# Altium PCB V5_CORE_V1.6.PcbDoc (part 1 of 3) (continued)
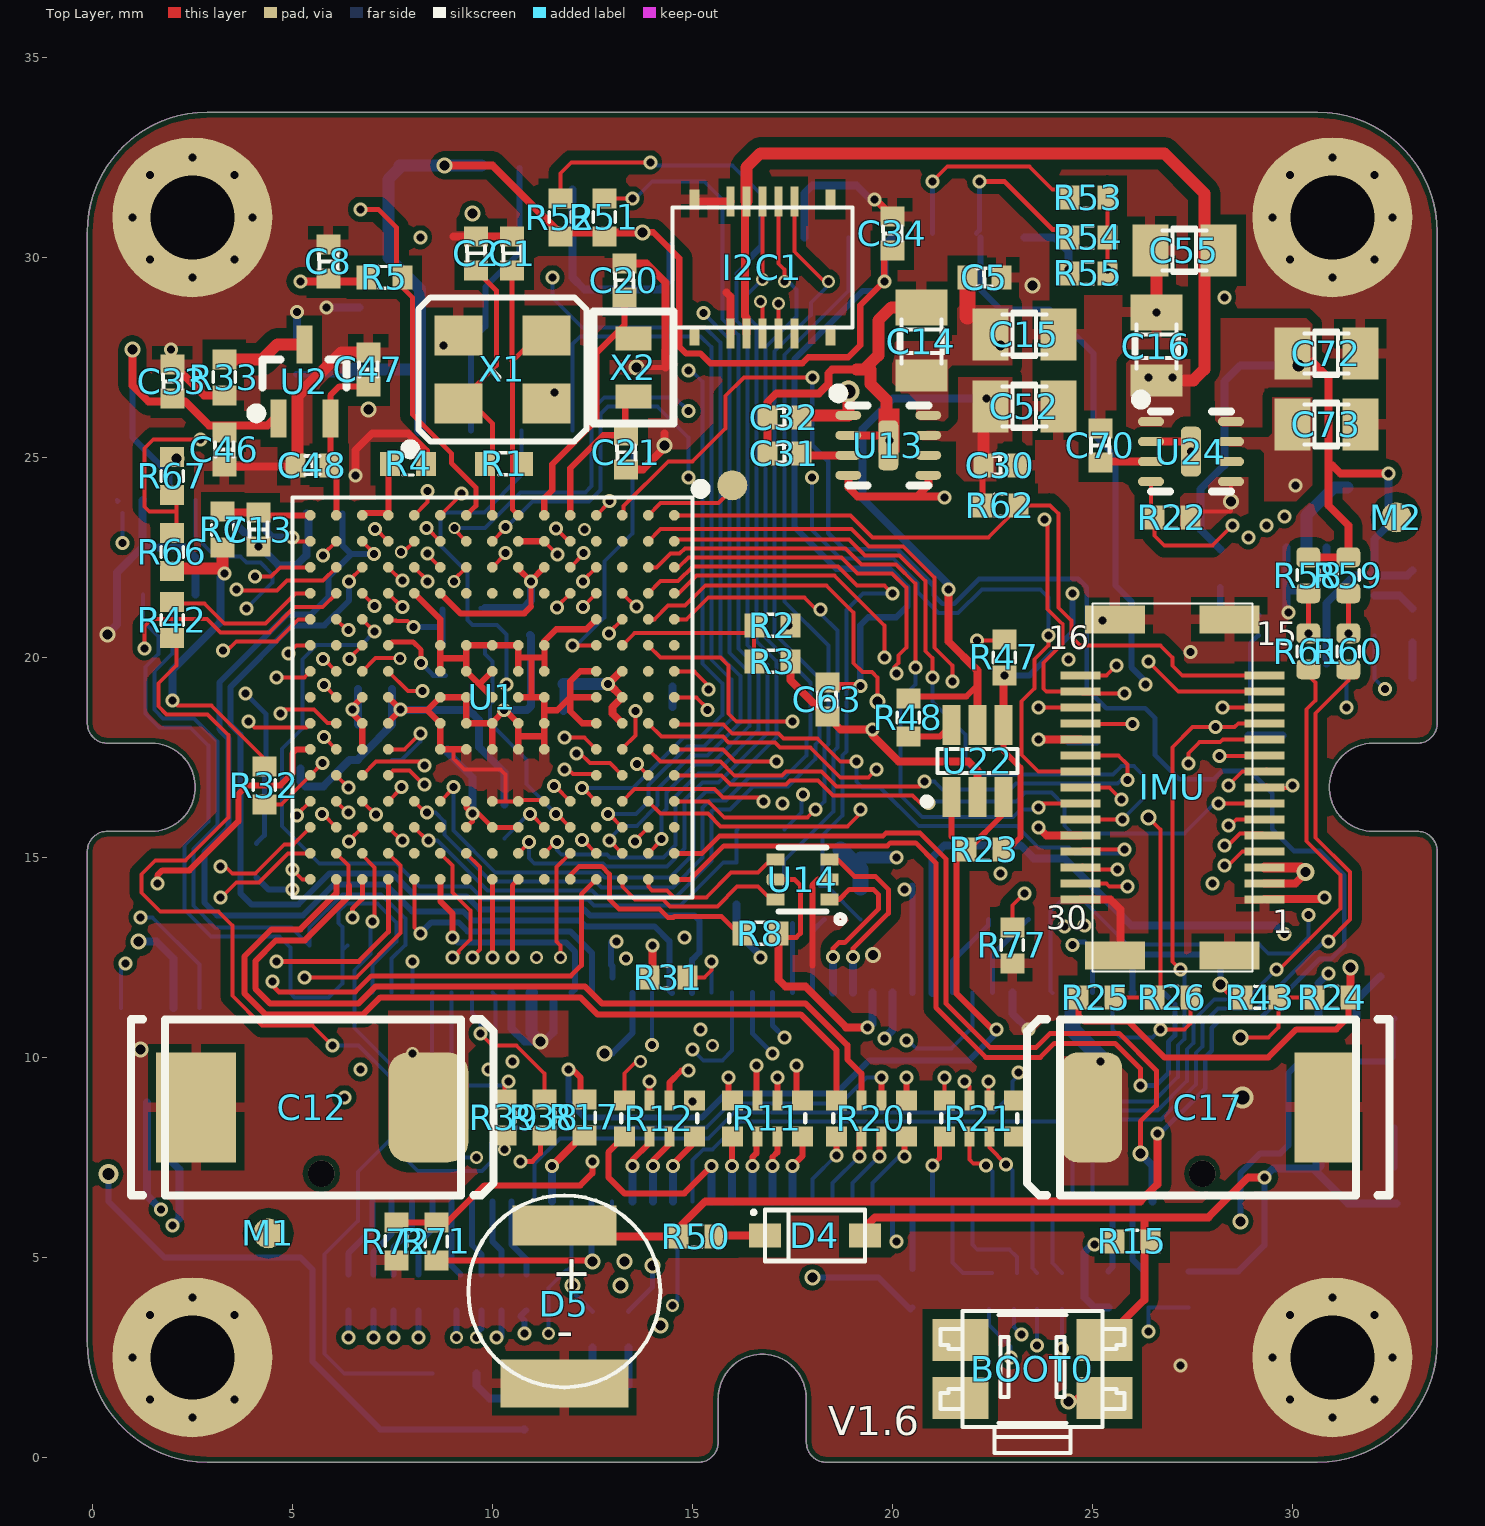
[diagram p0: Top Layer view]
## Design rules (kind name [scope] priority, off if disabled: settings)
Clearance [InPolygon vs OnLayer('Top Layer')                 +OnLayer('bottom Layer')] p1: gap=0.25
Clearance Clearance_1 [All] p2: gap=0.125
DiffPairsRouting [All] p1: maxlimit=0.254 minlimit=0.125 mostfreqgap=0.254 toplayer_minwidth=0.1 toplayer_maxwidth=0.381 toplayer_prefwidth=0.2 midlayer1_minwidth=0.1 midlayer1_maxwidth=0.381 midlayer1_prefwidth=0.2 midlayer2_minwidth=0.1 midlayer2_maxwidth=0.381 midlayer2_prefwidth=0.2 midlayer3_minwidth=0.1 midlayer3_maxwidth=0.381 midlayer3_prefwidth=0.2 midlayer4_minwidth=0.1 midlayer4_maxwidth=0.381 midlayer4_prefwidth=0.2 bottomlayer_minwidth=0.1 bottomlayer_maxwidth=0.381 bottomlayer_prefwidth=0.2 maxuncoupledlength=12.7
MinimumSolderMaskSliver [All] p1: minsoldermaskwidth=0.125
PlaneClearance [All] p1: clearance=0.2
PlaneConnect [All] p1: planeconnectstyle=Direct reliefexpansion=0.508 reliefentries=4 reliefconductorwidth=0.254 reliefairgap=0.254
PolygonConnect [InNet('3V3')+InNet('MCU_3V3')+InNet('VBUS')+InNet('VDD_5V_IN')   +InNet('TF_3V3')    +InNet('IMU_3V3')  +InNet('VBAT') +InNet('IO1_3V3')  +InNet('VDD_5V_IN_IMU')  +OnMultiLayer] p1: connectstyle=Direct reliefconductorwidth=0.254 reliefentries=4 polygonreliefangle="90 Angle" airgapwidth=0.254
PolygonConnect PolygonConnect_1 [All] p2: connectstyle=Relief reliefconductorwidth=0.254 reliefentries=4 polygonreliefangle="90 Angle" airgapwidth=0.2
RoomDefinition 11_5V_RAIL_ADC [InComponentClass('11_5V_RAIL_ADC')] p1: confinementstyle=ConfineIn formatcopy=TRUE lockcomponents=FALSE outline 34.753,1.314 70.905,1.314 70.905,3.714 34.753,3.714
RoomDefinition 08_ONB_COMPASS [InComponentClass('08_ONB_COMPASS')] p2: confinementstyle=ConfineIn formatcopy=TRUE lockcomponents=FALSE outline 34.597,1.436 52.697,1.436 52.697,7.436 34.597,7.436
RoomDefinition 12_B_TO_B [InComponentClass('12_B_TO_B')] p3: confinementstyle=ConfineIn formatcopy=TRUE lockcomponents=FALSE outline 34.597,1.436 43.597,1.436 43.597,29.935 34.597,29.935
RoomDefinition 02_V5_IO1 [InComponentClass('02_V5_IO1')] p4: confinementstyle=ConfineIn formatcopy=TRUE lockcomponents=FALSE outline 34.665,9.9 64.764,9.9 64.764,22.346 34.665,22.346
RoomDefinition 07_V5_LED [InComponentClass('07_V5_LED')] p5: confinementstyle=ConfineIn formatcopy=TRUE lockcomponents=FALSE outline -69.602,-57.664 -18.802,-57.664 -18.802,-32.264 -69.602,-32.264
RoomDefinition IMU_CON [InComponentClass('IMU_CON')] p6: confinementstyle=ConfineIn formatcopy=TRUE lockcomponents=FALSE outline 34.597,1.436 40.797,1.436 40.797,12.336 34.597,12.336
RoomDefinition 10_CAN_BUS [InComponentClass('10_CAN_BUS')] p7: confinementstyle=ConfineIn formatcopy=TRUE lockcomponents=FALSE outline 34.665,90.926 55.874,90.926 55.874,104.007 34.665,104.007
RoomDefinition 09_Power_LDO [InComponentClass('09_Power_LDO')] p8: confinementstyle=ConfineIn formatcopy=TRUE lockcomponents=FALSE outline 34.538,84.83 157.093,84.83 157.093,89.783 34.538,89.783
RoomDefinition 04_USB [InComponentClass('04_USB')] p9: confinementstyle=ConfineIn formatcopy=TRUE lockcomponents=FALSE outline 34.665,43.936 47.619,43.936 47.619,56.763 34.665,56.763
RoomDefinition 03_V5_TF_card [InComponentClass('03_V5_TF_card')] p10: confinementstyle=ConfineIn formatcopy=TRUE lockcomponents=FALSE outline 34.665,23.616 83.941,23.616 83.941,42.793 34.665,42.793
RoomDefinition 01_V5_SYS [InComponentClass('01_V5_SYS')] p11: confinementstyle=ConfineIn formatcopy=TRUE lockcomponents=FALSE outline 34.538,1.518 125.216,1.518 125.216,8.63 34.538,8.63
RoutingVias [All] p1: holewidth=0.711 width=1.27 viastyle="Through Hole" minholewidth=0.711 minwidth=1.27 maxholewidth=0.711 maxwidth=1.27
SilkToSilkClearance [All] p1: silktosilkclearance=0.2
SilkToSolderMaskClearance [IsPad] p1: minsilkscreentomaskgap=0.125 clearancetoexposedcopper=TRUE
SolderMaskExpansion [All] p1: expansion=0.102
Width [All] p1: maxlimit=1 minlimit=0.1 preferedwidth=0.125 minimp=50.000000 maximp=50.000000 favimp=50.000000
24 further rules are at their usual default settings.

## Classes and differential pairs
component class 08_ONB_COMPASS: C18 C19 R18 R56 U4
component class 12_B_TO_B: R9 R10 R11 R12 R15 R16 R17 R19 R20 R21 R23 R24 R25 R26 R27 R28 R29 R30 R34 R35 R36 R37 R38 R39 R43 R44 R47 R48 R57 R58 R59 R60 R61 R62 R65 R77 U22 U$9001
component class 02_V5_IO1: C20 C21 R31 R32 R70 U1 X2
component class IMU_CON: I2C1 IMU
component class 10_CAN_BUS: R45 R46 U20 U21
component class 09_Power_LDO: C12 C14 C15 C16 C17 C30 C31 C32 C33 C34 C52 C54 C55 C69 C70 C71 C72 C73 R22 U13 U24
component class 07_V5_LED: D1 D2 D3 R40 R41 R42
component class 04_USB: R8 U14
component class 03_V5_TF_card: C62 C63 R49 R51 R52 R53 R54 R55 TF U3
component class 01_V5_SYS: BOOT0 C1 C2 C3 C4 C5 C6 C7 C8 C9 C10 C11 C13 C22 C46 C47 C48 D4 D5 M1 M2 R1 R2 R3 R4 R5 R6 R7 R33 R50 R75 R76 TP1 U2 U5 U17 X1
component class 11_5V_RAIL_ADC: R13 R14 R63 R64 R66 R67 R68 R69 R71 R72 R73 R74

## Components (designator, comment, footprint, x,y, rotation, side; value= is the part's Value field where it differs from the comment)
BOOT0 "EVQ-P7J01P" EVQ-P7J01P 23.5,2.175 r0 top
C1 "8PF" SC0402 10.5,30.1 r270 top
C2 "8PF" SC0402 9.6,30.1 r270 top
C3 "0402C2.2UF" 0402C 7.072,17.429 r180 bottom
C4 "0402C2.2UF" 0402C 10.3,15.9 r90 bottom
C5 "0402C100NF" 0402C 22.3,29.5 r180 top
C6 "0402C100NF" 0402C 11.4,19.6 r0 bottom
C7 "0402C100NF" 0402C 7.072,19.307 r180 bottom
C8 "0402C100NF" 0402C 5.9,29.9 r270 top
C9 "0402C100NF" 0402C 9.3,17.7 r180 bottom
C10 "0402C100NF" 0402C 11.4,18.6 r0 bottom
C11 "0402C100NF" 0402C 7.072,18.318 r180 bottom
C12 "47UF 16V" 7343CAP#1 5.5,8.75 r180 top locked
C13 "0402C100NF" 0402C 4.151,23.19 r90 top
C14 "47uf/16V" 0805CAP#1 20.7,27.9 r90 top
C15 "47uf/16V" 0805CAP#2 23.3,28.1 r0 top
C16 "47uf/16V" 0805CAP#1 26.575,27.775 r90 top
C17 "47UF 16V" 7343CAP#2 27.9,8.75 r0 top
C18 "0402C100NF" 0402C 33,20.8 r90 bottom
C19 "4.7UF" 0805CAP#2 31.4,25.1 r90 bottom
C20 "15PF" SC0402 13.3,29.425 r90 top
C21 "15PF" SC0402 13.35,25.125 r270 top
C22 "100NF" 0402cap 30.5,6.8 r270 bottom
C30 "100NF" 0402CAP 22.7,24.8 r0 top
C31 "100NF" 0402CAP 17.3,25.1 r180 top
C32 "100NF" 0402CAP 17.3,26 r0 top
C33 "100NF" 0402CAP 2,26.9 r270 top
C34 "100NF" 0402CAP 20,30.6 r270 top
C46 "0402C100NF" 0402C 3.3,25.2 r270 top
C47 "0402C10UF" 0402C 6.9,27.2 r270 top
C48 "0402C100NF" 0402C 5.5,24.8 r0 top
C52 "47uf/16V" 0805CAP#2 23.3,26.3 r0 top
C54 "47uf/16V" 0805CAP#2 6.6,28.1 r90 bottom
C55 "47uf/16V" 0805CAP#2 27.3,30.15 r180 top
C62 "0402C2.2UF" 0402C 7.198,32.236 r0 bottom
C63 "0402C100NF" 0402C 18.375,18.95 r90 top
C69 "100NF" 0402CAP 33,22.6 r90 bottom
C70 "100NF" 0402CAP 25.2,25.3 r90 top
C71 "100NF" 0402CAP 5.1,27.5 r270 bottom
C72 "47uf/16V" 0805CAP#2 30.85,27.625 r0 top
C73 "47uf/16V" 0805CAP#2 30.85,25.847 r0 top
D1 "0603-LED-BLUE" 0603-LED-blue 10.8,1.4 r90 bottom
D2 "0603-LED-GREEN" 0603-LED-Green 9.6,1.4 r90 bottom
D3 "0603_LED_RED" 0603-LED-RED 8.4,1.4 r90 bottom
D4 "4148" SOD323 18.05,5.325 r270 top
D5 "PAS414HR-VE5R" PAS414R-S-VE5R 11.7,4 r180 top
I2C1 "axt510224" axt510224 16.75,29.75 r0 top locked
IMU "DF18B-30DS-0.4V" DF18B-30DS-0.4V 27,16.75 r90 top
M1 "MARK" MARK 4.4,5.6 r0 top
M2 "MARK" MARK 32.6,23.5 r0 top
R1 "1MEG" SR0402 10.298,24.836 r0 top
R2 "0402R0R/DNP" 0402R#1 17,20.8 r0 top
R3 "10K" 0402R#1 17,19.9 r0 top
R4 "0402R0R" 0402R#1 7.898,24.836 r180 top
R5 "10K" 0402R#1 7.3,29.5 r180 top
R6 "10K" 0402R#1 11.4,20.6 r0 bottom
R7 "0R" 0402R#1 3.262,23.19 r270 top
R8 "1K" 0402R#1 16.7,13.1 r0 top
R9 "100R" 0402_4r 7.298,4.136 r180 bottom
R10 "100R" 0402_4r 9.998,4.136 r180 bottom
R11 "100R" 0402_4r 16.9,8.5 r180 top
R12 "100R" 0402_4r 14.2,8.5 r180 top
R13 "2M" 0402R#1 5.8,23.6 r180 bottom
R14 "2M" 0402R#1 15.8,13 r0 bottom
R15 "0402R1.5K" 0402R#1 26,5.4 r0 top
R16 "0402R1.5K" 0402R#1 27.4,4.2 r90 bottom
R17 "0402R100R" 0402R#1 12.3,8.5 r270 top
R18 "0402R1K" 0402R#1 28.9,18.5 r270 bottom
R19 "100R" 0402_4r 23.323,4.136 r180 bottom
R20 "100R" 0402_4r 19.5,8.5 r180 top
R21 "100R" 0402_4r 22.2,8.5 r180 top
R22 "10K/NC" 0402R#1 27,23.5 r180 top
R23 "100R/NC" 0402R#1 22.3,15.2 r180 top
R24 "0402R1.5K" 0402R#1 31,11.5 r0 top
R25 "0402R1.5K" 0402R#1 25.1,11.5 r180 top
R26 "0402R100R" 0402R#1 27,11.5 r0 top
R27 "0402R100R" 0402R#1 23.4,13.9 r270 bottom
R28 "0402R100R" 0402R#1 26.4,4.2 r90 bottom
R29 "0402R1.5K" 0402R#1 18.25,15.2 r0 bottom
R30 "0402R1.5K" 0402R#1 19.2,13.8 r90 bottom
R31 "100K" R0402#1 14.4,12 r180 top
R32 "100K" R0402#1 4.3,16.8 r90 top
R33 "0R" 0402R#1 3.3,27 r90 top
R34 "10K" 0402R#1 22.4,13.9 r270 bottom
R35 "10K" 0402R#1 4.325,14.8 r270 bottom
R36 "10K" 0402R#1 4.75,17.225 r180 bottom
R37 "0402R100R" 0402R#1 18.198,13.836 r270 bottom
R38 "0402R100R" 0402R#1 11.3,8.5 r90 top
R39 "0402R100R" 0402R#1 10.3,8.5 r90 top
R40 "1K" 0402R#1 12.5,3.2 r270 bottom
R41 "1K" 0402R#1 13.4,3.2 r270 bottom
R42 "1K" 0402R#1 1.998,20.936 r270 top
R43 "0402R100R" 0402R#1 29.2,11.5 r180 top
R44 "0402R100R" 0402R#1 17.298,13.836 r270 bottom
R45 "100K" R0402#1 5.9,12.8 r180 bottom
R46 "100K" R0402#1 1.7,7.2 r0 bottom
R47 "100R" 0402R#1 22.8,20 r270 top
R48 "1k" R0402#1 20.4,18.5 r270 top
R49 "1K" R0402#1 10.198,32.236 r0 bottom
R50 "220R" 0402r 15.1,5.525 r0 top
R51 "10K" R0402#1 12.8,31 r90 top
R52 "10K" R0402#1 11.7,31 r90 top
R53 "10K" R0402#1 24.9,31.5 r180 top
R54 "10K" R0402#1 24.9,30.5 r180 top
R55 "10K" R0402#1 24.9,29.6 r180 top
R56 "0402R1K" 0402R#1 28.2,22.2 r270 bottom
R57 "0402R100R" 0402R#1 25.4,4.2 r90 bottom
R58 "0402R1.5K" 0402R#2 30.4,22.05 r90 top
R59 "0402R1.5K" 0402R#2 31.4,22.05 r90 top
R60 "0402R100R" 0402R#2 31.4,20.15 r270 top
R61 "0402R100R" 0402R#2 30.4,20.15 r270 top
R62 "10K/NC" 0402R#1 22.7,23.8 r180 top
R63 "2M" 0402R#1 3.9,23.625 r180 bottom
R64 "2M" 0402R#1 26.5,13.8 r90 bottom
R65 "0402R100R" 0402R#1 20.5,4.2 r90 bottom
R66 "442K" R0402#1 1.998,22.636 r270 top
R67 "24.9K" R0402#1 1.998,24.536 r270 top
R68 "10K/DNP" R0402#1 9.348,21.286 r0 bottom
R69 "10K" R0402#1 9.348,20.311 r180 bottom
R70 "105k" R0402#2 8.825,19.075 r270 bottom
R71 "10K" R0402#1 8.6,5.4 r270 top
R72 "10K" R0402#1 7.6,5.4 r90 top
R73 "10K" R0402#1 16.6,15.7 r0 bottom
R74 "10K" R0402#1 16.2,14.3 r90 bottom
R75 "10K" R0402#1 31.625,6.8 r270 bottom
R76 "50K" 0402R#1 32.6,6.8 r270 bottom
R77 "1.5K" 0402R#1 23,12.8 r90 top
TF "5033981892" 5033981892 20,25.3 r180 bottom locked
TP1 "BOOT0" TP0.75 13.5,25.7 r180 bottom
U1 "STM32F765IIK6" UFBGA176 10,19 r270 top locked
U2 "REF3333AIDCKR" SC70 5.3,26.9 r90 top
U3 "FM25V01-G" SO-8 10.1,28 r270 bottom
U4 "ist8310" LGA16_4X4 30.6,21.3 r90 bottom
U5 "TPS3808G33" SOT-23-6 31.6,9.9 r180 bottom
U13 "MIC5330-SSYML" MIC5530 19.9,25.3 r0 top
U14 "NUF2042XV6T1G" SOT563-6 17.8,14.4 r180 top
U20 "MAX3051EKA+T" SOT23-8 1.598,22.636 r0 bottom
U21 "MAX3051EKA+T" SOT23-8 1.598,10.036 r0 bottom
U22 "SN74LVC1G57DCKR" sot323-6 22.056,17.383 r90 top
U24 "MIC5330-SSYML" MIC5530 27.467,25.142 r0 top
U$9001 "DF17(3.0H)-80DS-0.5V(57)" DF17(3.0H)-80DS-0.5V(57) 16.75,9 r180 bottom locked
X1 "16MEG" 3225 10.25,27.2 r180 top
X2 "32.768KHZ" ABS06 13.55,27.35 r270 top

## Footprints (in the part's own frame and the unit in brackets; to place one, negate y for a bottom-side part, rotate by r counter-clockwise, add the part's x,y. Pads: shape width x height; smd on the part's side, far side on the other; paste and mask are expansions set on the pad)
0402_4r [mm]
  rect 0.525x0.5 smd: 1(-0.85,-0.425) 4(0.9,-0.425) 5(0.9,0.475) 8(-0.85,0.475)
  rect 0.25x0.5 smd: 2(-0.225,-0.425) 3(0.275,-0.425) 6(0.275,0.475) 7(-0.225,0.475)
  silkscreen extent -0.93,-0.08 0.97,0.12, body extent -0.97,-0.5 1.03,0.5, height 0.45
0402C [mm]
  rect 0.5x0.6 smd: 1(-0.425,0) 2(0.425,0)
  silkscreen extent -0.18,-0.23 0.17,0.23, body extent -0.5,-0.25 0.5,0.25, height 0.5
0402cap [mm]
  rect 0.5x0.6 smd: 1(-0.425,0) 2(0.425,0)
  silkscreen extent -0.18,-0.23 0.17,0.23, body extent -0.5,-0.25 0.5,0.25, height 0.5
0402CAP [mm]
  rect 0.5x0.6 smd: 1(-0.425,0) 2(0.425,0)
  silkscreen extent -0.18,-0.23 0.17,0.23, body extent -0.5,-0.25 0.5,0.25, height 0.5
0402R#1 [mm]
  rect 0.5x0.6 smd: 1(-0.45,0) 2(0.45,0)
  silkscreen extent -0.13,-0.27 0.14,0.28, body extent -0.51,-0.25 0.49,0.25, height 0.3
0402R#2 [mm]
  rrect50% 0.5x0.6 smd: 1(-0.45,0) 2(0.45,0)
  silkscreen extent -0.13,-0.27 0.14,0.28, body extent -0.51,-0.25 0.49,0.25, height 0.3
0402r [mm]
  rect 0.5x0.6 smd: 1(-0.45,0) 2(0.45,0)
  silkscreen extent -0.13,-0.27 0.14,0.28, body extent -0.51,-0.25 0.49,0.25, height 0.3
0603-LED-blue [mm]
  rect 0.8x0.8 smd: 1(-0.7,0) 2(0.7,0)
  silkscreen extent -0.16,-0.45 0.15,0.47, body extent -0.75,-0.4 0.85,0.4, height 0.8
0603-LED-Green [mm]
  rect 0.8x0.8 smd: 1(-0.7,0) 2(0.7,0)
  silkscreen extent -0.16,-0.44 0.15,0.48, body extent -0.83,-0.38 0.77,0.42, height 0.6
0603-LED-RED [mm]
  rect 0.8x0.8 smd: 1(-0.7,0) 2(0.7,0)
  silkscreen extent -0.16,-0.44 0.15,0.48, body extent -0.81,-0.37 0.81,0.43, height 0.6
0805CAP#1 [mm]
  rect 0.8x1.3 smd: 1(-0.85,-0.025)
  rect 0.9x1.3 smd: 2(0.85,-0.025)
  silkscreen extent -0.55,-0.6 0.55,0.55, body extent -1,-0.62 1,0.58, height 1.2
0805CAP#2 [mm]
  rect 0.9x1.3 smd: 1(-0.85,-0.025) 2(0.85,-0.025)
  silkscreen extent -0.55,-0.6 0.55,0.55, body extent -1,-0.62 1,0.58, height 1.2
3225 [mm]
  rect 1.2x1 smd: 1(1.1,0.85) 2(-1.1,0.85) 3(-1.1,-0.85) 4(1.1,-0.85)
  silkscreen extent -2.1,-1.8 2.4,2.1, body extent -1.63,-1.24 1.57,1.26, height 0.6
7343CAP#1 [mm]
  rrect50% 2x2.75 smd: A(-2.903,0)
  rect 2x2.75 smd: C(2.903,0)
  silkscreen extent -4.53,-2.2 4.53,2.2, body extent -3.63,-2.12 3.67,2.18, height 2.25
7343CAP#2 [mm]
  rrect50% 1.5x2.75 smd: A(-2.903,0)
  rect 1.5x2.75 smd: C(2.903,0)
  silkscreen extent -4.53,-2.2 4.53,2.2, body extent -3.63,-2.12 3.67,2.18, height 2.25
5033981892 [mm]
  rect 0.7x1.1 smd: 1(-3.3,5) 2(-2.2,5) 3(-1.1,5) 4(0,5) 5(1.1,5) 6(2.2,5) 7(3.3,5) 8(4.4,5)
  rect 1x3 smd: 6(-7.25,-6.025)
  rect 1.25x2 smd: 6(-7.1,5.2)
  rect 0.8x2.2 smd: 6(5.5,-6.025)
  rect 0.75x3 smd: 6(5.55,4.775)
  rect 0.7x0.9 smd: 9(-5.1,-7.4) 10(-0.8,-7.4)
  silkscreen extent -7.54,-7.58 5.74,9.5, body extent -7.45,-7.52 5.65,6.53, height 1.26
ABS06 [mm]
  rect 0.6x0.9 smd: 1(0.825,-0.025) 2(-0.625,-0.025)
  silkscreen extent -1.3,-1.02 1.5,0.98, body extent -0.9,-0.63 1.1,0.6, height 1
axt510224 [mm]
  rect 0.25x0.5 smd: 0(-1.7,-1.7) 0(1.7,-1.7) 0(1.7,1.7) 10(-1.7,1.7)
  rect 0.2x0.75 smd: 1(-0.8,-1.65) 2(-0.4,-1.65) 3(0,-1.65) 4(0.4,-1.65) 5(0.8,-1.65) 6(0.8,1.65) 7(0.4,1.65) 8(0,1.65) 9(-0.4,1.65) 10(-0.8,1.65)
  silkscreen extent -2.25,-1.5 2.25,1.5, body extent -2.25,-1.82 2.25,1.78, height 1.17
DF17(3.0H)-80DS-0.5V(57) [mil] "DF17(3.0H)-80DS-0.5V(57)"
  rrect100% 10x44 smd: 1(-383.94,102.68)
  rect 10x44 smd: 2(-383.94,-102.68) 3(-364.25,102.68) 4(-364.25,-102.68) 5(-344.57,102.68) 6(-344.57,-102.68) 7(-324.88,102.68) 8(-324.88,-102.68) 9(-305.2,102.68) 10(-305.2,-102.68) 11(-285.51,102.68) 12(-285.51,-102.68) 13(-265.83,102.68) 14(-265.83,-102.68) 15(-246.14,102.68) 16(-246.14,-102.68) 17(-226.46,102.68) 18(-226.46,-102.68) 19(-206.77,102.68) 20(-206.77,-102.68) 21(-187.09,102.68) 22(-187.09,-102.68) 23(-167.4,102.68) 24(-167.4,-102.68) 25(-147.72,102.68) 26(-147.72,-102.68) 27(-128.03,102.68) 28(-128.03,-102.68) 29(-108.35,102.68) 30(-108.35,-102.68) 31(-88.66,102.68) 32(-88.66,-102.68) 33(-68.98,102.68) 34(-68.98,-102.68) 35(-49.29,102.68) 36(-49.29,-102.68) 37(-29.61,102.68) 38(-29.61,-102.68) 39(-9.92,102.68) 40(-9.92,-102.68) 41(9.92,102.68) 42(9.92,-102.68) 43(29.92,102.68) 44(29.92,-102.68) 45(49.92,102.68) 46(49.92,-102.68) 47(68.92,102.68) 48(68.92,-102.68) 49(88.92,102.68) 50(88.92,-102.68) 51(108.92,102.68) 52(108.92,-102.68) 53(127.92,102.68) 54(127.92,-102.68) 55(147.92,102.68) 56(147.92,-102.68) 57(167.92,102.68) 58(167.92,-102.68) 59(187.92,102.68) 60(187.92,-102.68) 61(206.92,102.68) 62(206.92,-102.68) 63(226.92,102.68) 64(226.92,-102.68) 65(246.92,102.68) 66(246.92,-102.68) 67(265.92,102.68) 68(265.92,-102.68) 69(285.92,102.68) 70(285.92,-102.68) 71(305.92,102.68) 72(305.92,-102.68) 73(324.92,102.68) 74(324.92,-102.68) 75(344.92,102.68) 76(344.92,-102.68) 77(364.92,102.68) 78(364.92,-102.68) 79(383.92,102.68) 80(383.92,-102.68)
  rect 47.24x83 smd: GND(-472.52,-0.32) GND(472.92,-0.32)
  round 25.98 hole 26 unplated: hole-2(-433.15,-75.12) hole-2(433.92,-75.12)
  silkscreen extent -492,-95 493,95, body extent -492,-113 492,112, height 118
DF18B-30DS-0.4V [mm]
  rect 0.7x1.5 smd: 1(-4.2,-1.43) 1(-4.2,1.43) 1(4.2,-1.43) 1(4.2,1.43)
  rect 0.2x1 smd: 1(-2.8,-2.3) 2(-2.4,-2.3) 3(-2,-2.3) 4(-1.6,-2.3) 5(-1.2,-2.3) 6(-0.8,-2.3) 7(-0.4,-2.3) 8(0,-2.3) 9(0.4,-2.3) 10(0.8,-2.3) 11(1.2,-2.3) 12(1.6,-2.3) 13(2,-2.3) 14(2.4,-2.3) 15(2.8,-2.3) 16(2.8,2.3) 17(2.4,2.3) 18(2,2.3) 19(1.6,2.3) 20(1.2,2.3) 21(0.8,2.3) 22(0.4,2.3) 23(0,2.3) 24(-0.4,2.3) 25(-0.8,2.3) 26(-1.2,2.3) 27(-1.6,2.3) 28(-2,2.3) 29(-2.4,2.3) 30(-2.8,2.3)
  silkscreen extent -4.6,-2 4.6,2, body extent -4.6,-2.5 4.6,2.5, height 1.45
EVQ-P7J01P [mm]
  rect 1.4x1.05 smd: A1(-1.799,0.763) A2(1.801,0.763) A4(1.801,-0.687) B3(-1.799,-0.687)
  silkscreen extent -2.3,-2.06 2.3,1.49, body extent -2.35,-2.05 2.35,1.5, height 1.35
LGA16_4X4 [mm] "QFN, 16-Leads, Body 3.00x3.00mm, Pitch 0.50mm, IPC Medium Density"
  oval 0.6x0.25 smd: 1(-1.45,0.75) 2(-1.45,0.25) 3(-1.45,-0.25) 9(1.45,-0.75) 10(1.45,-0.25) 11(1.45,0.25) 12(1.45,0.75)
  oval 0.5x0.25 smd: 4(-1.5,-0.75)
  oval 0.25x0.6 smd: 5(-0.75,-1.45) 6(-0.25,-1.45) 7(0.25,-1.45) 8(0.75,-1.45) 13(0.75,1.45) 14(0.25,1.45) 15(-0.25,1.45) 16(-0.75,1.45)
  silkscreen extent -2.02,-1.65 1.65,2.02, body extent -1.6,-1.6 1.6,1.6, height 1